# KiCad board MozzaCircuit.kicad_pcb (continued)
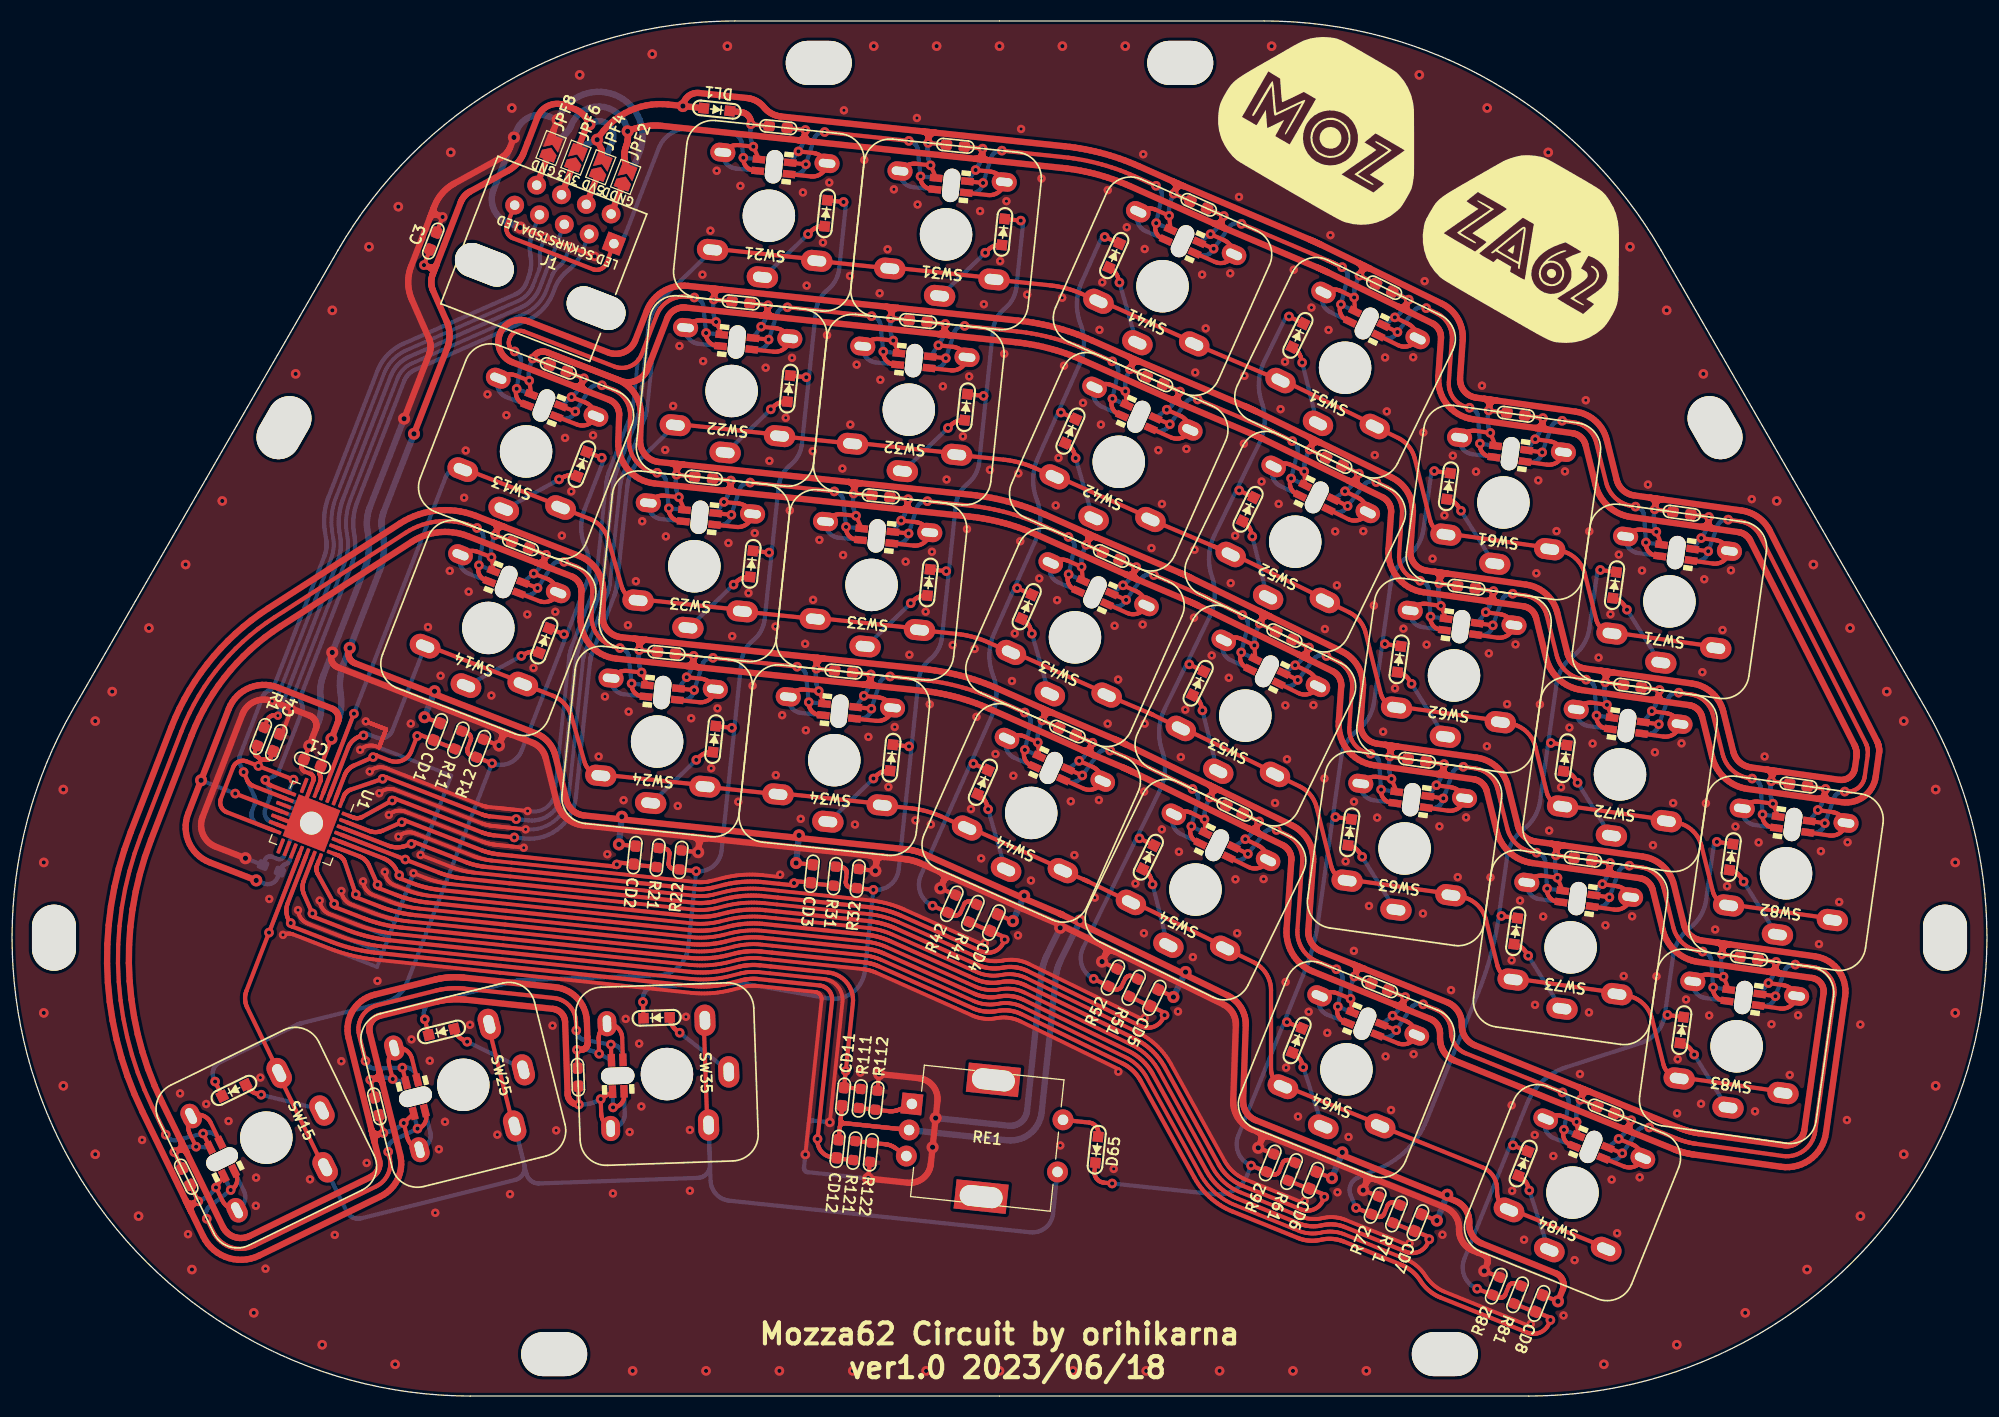
[diagram p0: board, top side]
## Routing (per net, layer and track width the routed paths; a pad name or vN(x,y) marks a point on that pad's centre or on a via; arc(x,y) is an arc through that point) (continued)
Net-(D21-Pad2): length 9.7
  Top w0.4: v2(75.95,110.85) 76.26,111.14 76.32,111.21 76.4,111.27 76.47,111.32 76.55,111.37 76.63,111.41 76.72,111.45 76.8,111.49 76.89,111.52 76.98,111.55 77.07,111.57 77.16,111.58 77.26,111.59 77.35,111.59 77.44,111.59 77.53,111.58
  Bottom w0.4: 77.53,111.58 77.44,111.59 77.35,111.59 77.26,111.59 77.16,111.58 77.07,111.57 76.98,111.55 76.89,111.52 76.8,111.49 76.72,111.45 76.63,111.41 76.55,111.37 76.47,111.32 76.4,111.27 76.32,111.21 76.26,111.14 v2(75.95,110.85) 71.76,106.8 71.74,106.78 71.72,106.77 71.7,106.76 71.68,106.75 71.66,106.74 71.64,106.74 71.61,106.73 71.59,106.73
Net-(D22-Pad2): length 9.7
  Top w0.4: v2(72.39,94.13) 72.7,94.42 72.77,94.49 72.84,94.55 72.92,94.6 73,94.65 73.08,94.69 73.16,94.73 73.25,94.77 73.34,94.8 73.43,94.83 73.52,94.85 73.61,94.86 73.7,94.87 73.79,94.87 73.89,94.87 D22.2
  Bottom w0.4: D22.2 73.89,94.87 73.79,94.87 73.7,94.87 73.61,94.86 73.52,94.85 73.43,94.83 73.34,94.8 73.25,94.77 73.16,94.73 73.08,94.69 73,94.65 72.92,94.6 72.84,94.55 72.77,94.49 72.7,94.42 v2(72.39,94.13) 68.2,90.08 68.18,90.06 68.17,90.05 68.14,90.04 68.12,90.03 68.11,90.02 68.09,90.02 68.05,90.01 SW22.1
Net-(D23-Pad2): length 9.7
  Top w0.4: 70.43,78.14 70.33,78.15 70.24,78.15 70.15,78.15 70.05,78.14 69.96,78.13 69.87,78.11 69.78,78.08 69.69,78.05 69.61,78.01 69.52,77.97 69.44,77.93 69.36,77.88 69.29,77.83 69.22,77.77 69.15,77.7 v2(68.84,77.41)
  Bottom w0.4: 70.43,78.14 70.33,78.15 70.24,78.15 70.15,78.15 70.05,78.14 69.96,78.13 69.87,78.11 69.78,78.08 69.69,78.05 69.61,78.01 69.52,77.97 69.44,77.93 69.36,77.88 69.29,77.83 69.22,77.77 69.15,77.7 v2(68.84,77.41) 64.65,73.36 64.63,73.34 64.61,73.33 64.59,73.32 64.57,73.31 64.56,73.3 64.53,73.3 64.5,73.29 64.49,73.29
Net-(D24-Pad2): length 9.7
  Top w0.4: D24.2 66.78,61.43 66.69,61.43 66.59,61.43 66.5,61.42 66.41,61.41 66.32,61.39 66.23,61.36 66.14,61.33 66.05,61.29 65.97,61.25 65.89,61.21 65.81,61.16 65.73,61.11 65.66,61.05 65.59,60.98 v2(65.29,60.69)
  Bottom w0.4: SW24.1 60.94,56.57 60.98,56.58 61,56.58 61.04,56.6 61.06,56.61 61.08,56.62 61.1,56.64 v2(65.29,60.69) 65.59,60.98 65.66,61.05 65.73,61.11 65.81,61.16 65.89,61.21 65.97,61.25 66.05,61.29 66.14,61.33 66.23,61.36 66.32,61.39 66.41,61.41 66.5,61.42 66.59,61.43 66.69,61.43 66.78,61.43 D24.2
Net-(D25-Pad2): length 9.7
  Top w0.4: D25.2 42.21,34.95 42.24,34.86 42.28,34.78 42.32,34.69 42.36,34.61 42.41,34.53 42.47,34.46 42.52,34.38 42.59,34.32 42.65,34.25 42.72,34.19 42.8,34.13 42.87,34.08 42.95,34.03 43.04,33.99 v2(43.42,33.8)
  Bottom w0.4: D25.2 42.21,34.95 42.24,34.86 42.28,34.78 42.32,34.69 42.36,34.61 42.41,34.53 42.47,34.46 42.52,34.38 42.59,34.32 42.65,34.25 42.72,34.19 42.8,34.13 42.87,34.08 42.95,34.03 43.04,33.99 v2(43.42,33.8) 48.66,31.25 48.68,31.24 48.7,31.22 48.72,31.21 48.74,31.18 48.76,31.15 48.78,31.13 48.78,31.12
Net-(D31-Pad1): length 127.2
  Top w0.4: R31.1 79.19,50.44 79.24,50.43 79.29,50.42 79.34,50.4 79.39,50.38 79.43,50.35 79.47,50.31 79.51,50.28 79.54,50.24 79.57,50.19 79.6,50.15 79.61,50.1 79.63,50.05 79.64,49.99 79.64,49.94 79.64,49.89 79.55,49.07 79.55,49.02 79.55,48.96 79.56,48.91 79.57,48.86 79.59,48.81 79.61,48.77 79.64,48.72 79.68,48.68 79.71,48.65 79.75,48.61 79.8,48.58 79.84,48.56 79.89,48.54 79.94,48.53 80,48.52 R32.1 v2(82.18,48.29) ; 87.59,78.85 89.38,78.67 ; D35.1 60.19,37.84 ; 94.7,112.29 96.49,112.11 ; 84.04,62.13 85.83,61.95 ; 91.15,95.57 92.94,95.39
  Bottom w0.4: 89.38,78.67 90.05,84.97 90.07,85.13 90.1,85.29 90.13,85.44 90.18,85.6 90.23,85.75 90.29,85.9 90.36,86.04 90.44,86.18 90.52,86.32 90.61,86.45 90.71,86.57 90.81,86.7 90.92,86.81 91.04,86.92 91.28,87.13 91.4,87.24 91.51,87.35 91.61,87.48 91.71,87.6 91.8,87.73 91.88,87.87 91.96,88.01 92.03,88.16 92.09,88.3 92.14,88.45 92.19,88.61 92.23,88.76 92.25,88.92 92.28,89.08 92.94,95.39 ; 89.38,78.67 87.59,78.85 ; 89.38,78.67 88.72,72.36 88.7,72.2 88.67,72.04 88.63,71.89 88.59,71.73 88.54,71.58 88.47,71.44 88.41,71.29 88.33,71.15 88.25,71.01 88.16,70.88 88.06,70.76 87.95,70.63 87.84,70.52 87.73,70.41 87.49,70.2 87.37,70.09 87.26,69.98 87.16,69.85 87.06,69.73 86.97,69.6 86.89,69.46 86.81,69.32 86.74,69.18 86.68,69.03 86.63,68.88 86.58,68.72 86.54,68.57 86.51,68.41 86.49,68.25 85.83,61.95 ; 92.94,95.39 93.6,101.69 93.62,101.85 93.65,102.01 93.69,102.16 93.73,102.32 93.79,102.47 93.85,102.62 93.92,102.76 93.99,102.9 94.08,103.04 94.17,103.17 94.26,103.29 94.37,103.42 94.48,103.53 94.59,103.64 94.84,103.85 94.95,103.96 95.06,104.07 95.17,104.2 95.26,104.32 95.35,104.45 95.44,104.59 95.51,104.73 95.58,104.88 95.64,105.02 95.7,105.17 95.74,105.33 95.78,105.48 95.81,105.64 95.83,105.8 96.49,112.11 94.7,112.29 ; 92.94,95.39 91.15,95.57 ; 85.83,61.95 84.6,50.25 84.56,50.02 84.51,49.8 84.42,49.58 84.32,49.38 84.19,49.18 84.05,49.01 83.89,48.84 83.71,48.7 83.51,48.57 83.31,48.47 83.09,48.39 82.87,48.33 82.64,48.29 82.41,48.28 v2(82.18,48.29) ; 85.83,61.95 84.04,62.13 ; v2(82.18,48.29) 81.37,40.58 81.32,40.26 81.23,39.94 81.11,39.64 80.96,39.35 80.78,39.07 80.56,38.83 80.32,38.6 80.06,38.4 79.78,38.24 79.48,38.1 79.17,38 78.85,37.93 78.52,37.9 78.19,37.9 77.87,37.94 70.05,39.32 70.01,39.33 69.93,39.34 69.84,39.35 69.8,39.35 69.68,39.36 69.55,39.36 69.51,39.36 69.42,39.36 61.34,39.08 61.22,39.07 61.1,39.04 60.98,39.01 60.86,38.96 60.75,38.9 60.65,38.83 60.55,38.74 60.47,38.65 60.39,38.55 60.33,38.44 60.27,38.33 60.23,38.21 60.2,38.09 60.19,37.96 60.19,37.84 D35.1 ; v2(82.18,48.29) R32.1 80,48.52 79.94,48.53 79.89,48.54 79.84,48.56 79.8,48.58 79.75,48.61 79.71,48.65 79.68,48.68 79.64,48.72 79.61,48.77 79.59,48.81 79.57,48.86 79.56,48.91 79.55,48.96 79.55,49.02 79.55,49.07 79.64,49.89 79.64,49.94 79.64,49.99 79.63,50.05 79.61,50.1 79.6,50.15 79.57,50.19 79.54,50.24 79.51,50.28 79.47,50.31 79.43,50.35 79.39,50.38 79.34,50.4 79.29,50.42 79.24,50.43 79.19,50.44 R31.1
  vias: v2(60.2,37.59) v2(85.58,61.97) v2(89.14,78.69) v2(92.69,95.41) v2(96.24,112.13)
Net-(D31-Pad2): length 9.7
  Top w0.4: 94.44,109.81 94.35,109.81 94.26,109.82 94.16,109.81 94.07,109.8 93.98,109.79 93.89,109.77 93.8,109.74 93.71,109.71 93.62,109.68 93.54,109.64 93.46,109.59 93.38,109.54 93.3,109.49 93.23,109.43 93.16,109.37 v2(92.85,109.07)
  Bottom w0.4: SW31.1 88.51,104.95 88.55,104.96 88.57,104.97 88.61,104.98 88.63,104.99 88.65,105.01 88.66,105.02 v2(92.85,109.07) 93.16,109.37 93.23,109.43 93.3,109.49 93.38,109.54 93.46,109.59 93.54,109.64 93.62,109.68 93.71,109.71 93.8,109.74 93.89,109.77 93.98,109.79 94.07,109.8 94.16,109.81 94.26,109.82 94.35,109.81 94.44,109.81
Net-(D32-Pad2): length 9.7
  Top w0.4: v2(89.3,92.35) 89.61,92.65 89.68,92.71 89.75,92.77 89.82,92.82 89.9,92.87 89.98,92.92 90.07,92.96 90.16,92.99 90.24,93.02 90.33,93.05 90.42,93.07 90.51,93.08 90.61,93.09 90.7,93.1 90.79,93.09 90.89,93.09
  Bottom w0.4: SW32.1 84.96,88.23 84.99,88.24 85.02,88.25 85.05,88.26 85.07,88.27 85.09,88.29 85.11,88.3 v2(89.3,92.35) 89.61,92.65 89.68,92.71 89.75,92.77 89.82,92.82 89.9,92.87 89.98,92.92 90.07,92.96 90.16,92.99 90.24,93.02 90.33,93.05 90.42,93.07 90.51,93.08 90.61,93.09 90.7,93.1 90.79,93.09 90.89,93.09
Net-(D33-Pad2): length 9.7
  Top w0.4: v2(85.75,75.63) 86.05,75.93 86.12,75.99 86.2,76.05 86.27,76.1 86.35,76.15 86.43,76.2 86.52,76.24 86.6,76.27 86.69,76.3 86.78,76.33 86.87,76.35 86.96,76.36 87.05,76.37 87.15,76.38 87.24,76.37 87.33,76.37
  Bottom w0.4: SW33.1 81.4,71.51 81.44,71.52 81.46,71.53 81.5,71.54 81.52,71.55 81.54,71.57 81.56,71.58 v2(85.75,75.63) 86.05,75.93 86.12,75.99 86.2,76.05 86.27,76.1 86.35,76.15 86.43,76.2 86.52,76.24 86.6,76.27 86.69,76.3 86.78,76.33 86.87,76.35 86.96,76.36 87.05,76.37 87.15,76.38 87.24,76.37 87.33,76.37
Net-(D34-Pad2): length 9.7
  Top w0.4: 83.78,59.65 83.69,59.65 83.59,59.66 83.5,59.65 83.41,59.64 83.32,59.63 83.22,59.61 83.14,59.58 83.05,59.55 82.96,59.52 82.88,59.48 82.8,59.43 82.72,59.38 82.64,59.33 82.57,59.27 82.5,59.21 v2(82.19,58.91)
  Bottom w0.4: 83.78,59.65 83.69,59.65 83.59,59.66 83.5,59.65 83.41,59.64 83.32,59.63 83.22,59.61 83.14,59.58 83.05,59.55 82.96,59.52 82.88,59.48 82.8,59.43 82.72,59.38 82.64,59.33 82.57,59.27 82.5,59.21 v2(82.19,58.91) 78,54.86 77.98,54.85 77.96,54.83 77.94,54.82 77.92,54.81 77.91,54.81 77.89,54.8 77.85,54.79 SW34.1
Net-(D35-Pad2): length 9.7
  Top w0.4: 62.75,36.13 62.75,36.03 62.77,35.94 62.78,35.85 62.8,35.76 62.83,35.67 62.86,35.58 62.9,35.5 62.94,35.42 62.99,35.34 63.04,35.26 63.1,35.18 63.16,35.11 63.22,35.05 63.29,34.98 63.36,34.92 v2(63.7,34.66)
  Bottom w0.4: 62.75,36.13 62.75,36.03 62.77,35.94 62.78,35.85 62.8,35.76 62.83,35.67 62.86,35.58 62.9,35.5 62.94,35.42 62.99,35.34 63.04,35.26 63.1,35.18 63.16,35.11 63.22,35.05 63.29,34.98 63.36,34.92 v2(63.7,34.66) 68.29,31.07 68.3,31.07 68.32,31.05 68.33,31.03 68.35,31.01 68.37,30.98 68.37,30.97 68.38,30.94 68.38,30.93 SW35.1
Net-(D41-Pad1): length 93.4
  Top w0.4: D41.1 104.03,110.67 ; v2(87.83,46.78) 89.29,46.13 89.84,45.88 89.89,45.86 89.94,45.85 89.99,45.84 90.04,45.84 90.1,45.84 90.15,45.85 90.2,45.86 90.25,45.88 90.29,45.91 90.34,45.93 90.38,45.97 90.41,46 90.45,46.04 90.48,46.09 90.5,46.14 90.67,46.51 90.84,46.89 90.86,46.94 90.89,46.98 90.92,47.02 90.96,47.06 91,47.09 91.04,47.12 91.09,47.14 91.14,47.16 91.19,47.17 91.24,47.18 91.29,47.19 91.34,47.18 91.4,47.17 91.45,47.16 91.5,47.14 R41.1 ; D44.1 91.5,60.43 ; 97.32,76.44 95.67,77.18 ; D42.1 99.85,93.93
  Bottom w0.4: 95.67,77.18 97.66,81.63 97.76,81.88 97.85,82.14 97.93,82.39 97.99,82.65 98.04,82.92 98.07,83.18 98.1,83.45 98.1,83.72 98.1,83.98 98.07,84.25 98.04,84.52 97.99,84.78 97.93,85.04 97.85,85.3 97.67,85.8 97.6,86.06 97.53,86.32 97.49,86.58 97.45,86.85 97.43,87.12 97.42,87.38 97.43,87.65 97.45,87.92 97.49,88.19 97.53,88.45 97.6,88.71 97.67,88.97 97.76,89.22 97.87,89.47 99.85,93.93 ; 95.67,77.18 93.69,72.72 93.59,72.47 93.5,72.22 93.42,71.96 93.36,71.7 93.31,71.44 93.27,71.17 93.25,70.9 93.25,70.63 93.25,70.37 93.27,70.1 93.31,69.83 93.36,69.57 93.42,69.31 93.5,69.05 93.59,68.8 93.67,68.55 93.75,68.29 93.81,68.03 93.86,67.77 93.9,67.5 93.92,67.24 93.93,66.97 93.92,66.7 93.9,66.43 93.86,66.17 93.81,65.9 93.75,65.64 93.67,65.39 93.59,65.13 93.48,64.89 91.5,60.43 ; 95.67,77.18 97.32,76.44 ; D44.1 91.5,60.43 ; 91.5,60.43 86.71,49.68 86.63,49.47 86.57,49.24 86.54,49.02 86.52,48.79 86.54,48.56 86.57,48.33 86.63,48.11 86.71,47.89 86.82,47.69 86.94,47.49 87.09,47.31 87.25,47.15 87.43,47.01 87.62,46.88 v2(87.83,46.78) 89.29,46.13 89.84,45.88 89.89,45.86 89.94,45.85 89.99,45.84 90.04,45.84 90.1,45.84 90.15,45.85 90.2,45.86 90.25,45.88 90.29,45.91 90.34,45.93 90.38,45.97 90.41,46 90.45,46.04 90.48,46.09 90.5,46.14 90.67,46.51 90.84,46.89 90.86,46.94 90.89,46.98 90.92,47.02 90.96,47.06 91,47.09 91.04,47.12 91.09,47.14 91.14,47.16 91.19,47.17 91.24,47.18 91.29,47.19 91.34,47.18 91.4,47.17 91.45,47.16 91.5,47.14 R41.1 ; D42.1 99.85,93.93 ; 99.85,93.93 101.84,98.39 101.94,98.63 102.03,98.89 102.1,99.14 102.17,99.4 102.22,99.67 102.25,99.93 102.27,100.2 102.28,100.47 102.27,100.73 102.25,101 102.22,101.27 102.17,101.53 102.1,101.79 102.03,102.05 101.94,102.3 101.85,102.55 101.77,102.81 101.71,103.07 101.66,103.33 101.63,103.6 101.61,103.87 101.6,104.13 101.61,104.4 101.63,104.67 101.66,104.93 101.71,105.2 101.77,105.46 101.85,105.71 101.94,105.97 102.04,106.21 104.03,110.67 D41.1
  vias: v2(91.73,60.32) v2(95.9,77.07) v2(100.08,93.82) v2(104.26,110.57)
Net-(D41-Pad2): length 9.7
  Top w0.4: v2(105.66,106.23) 105.54,106.64 105.51,106.73 105.48,106.81 105.44,106.9 105.4,106.98 105.35,107.06 105.3,107.14 105.24,107.21 105.18,107.28 105.12,107.35 105.05,107.41 104.97,107.47 104.9,107.52 104.82,107.57 104.74,107.62 104.66,107.66
  Bottom w0.4: SW41.1 107.35,100.49 107.34,100.5 107.32,100.51 107.31,100.52 107.3,100.53 107.29,100.55 107.28,100.56 v2(105.66,106.23) 105.54,106.64 105.51,106.73 105.48,106.81 105.44,106.9 105.4,106.98 105.35,107.06 105.3,107.14 105.24,107.21 105.18,107.28 105.12,107.35 105.05,107.41 104.97,107.47 104.9,107.52 104.82,107.57 104.74,107.62 104.66,107.66
Net-(D42-Pad2): length 9.7
  Top w0.4: v2(101.48,89.48) 101.36,89.89 101.34,89.98 101.3,90.07 101.26,90.15 101.22,90.23 101.17,90.31 101.12,90.39 101.06,90.46 101,90.53 100.94,90.6 100.87,90.66 100.8,90.72 100.72,90.77 100.64,90.82 100.56,90.87 100.48,90.91
  Bottom w0.4: 100.48,90.91 100.56,90.87 100.64,90.82 100.72,90.77 100.8,90.72 100.87,90.66 100.94,90.6 101,90.53 101.06,90.46 101.12,90.39 101.17,90.31 101.22,90.23 101.26,90.15 101.3,90.07 101.34,89.98 101.36,89.89 v2(101.48,89.48) 103.11,83.82 103.11,83.8 103.12,83.78 103.13,83.77 103.15,83.76 103.16,83.75 103.18,83.74 SW42.1
Net-(D43-Pad2): length 9.7
  Top w0.4: v2(97.31,72.73) 97.19,73.14 97.16,73.23 97.13,73.32 97.09,73.4 97.05,73.48 97,73.56 96.94,73.64 96.89,73.71 96.83,73.78 96.76,73.85 96.69,73.91 96.62,73.97 96.55,74.02 96.47,74.07 96.39,74.12 D43.2
  Bottom w0.4: SW43.1 99,66.99 98.99,67 98.97,67.01 98.96,67.02 98.95,67.03 98.94,67.05 98.93,67.07 v2(97.31,72.73) 97.19,73.14 97.16,73.23 97.13,73.32 97.09,73.4 97.05,73.48 97,73.56 96.94,73.64 96.89,73.71 96.83,73.78 96.76,73.85 96.69,73.91 96.62,73.97 96.55,74.02 96.47,74.07 96.39,74.12 D43.2
Net-(D44-Pad2): length 9.7
  Top w0.4: v2(93.13,55.98) 93.01,56.39 92.98,56.48 92.95,56.57 92.91,56.65 92.87,56.73 92.82,56.81 92.77,56.89 92.71,56.96 92.65,57.03 92.59,57.1 92.52,57.16 92.45,57.22 92.37,57.28 92.29,57.33 92.21,57.37 D44.2
  Bottom w0.4: SW44.1 94.83,50.24 94.81,50.25 94.8,50.26 94.78,50.27 94.77,50.29 94.76,50.3 94.75,50.32 v2(93.13,55.98) 93.01,56.39 92.98,56.48 92.95,56.57 92.91,56.65 92.87,56.73 92.82,56.81 92.77,56.89 92.71,56.96 92.65,57.03 92.59,57.1 92.52,57.16 92.45,57.22 92.37,57.28 92.29,57.33 92.21,57.37 D44.2
Net-(D51-Pad1): length 93.4
  Top w0.4: R51.1 106.88,40.04 106.83,40.06 106.78,40.07 106.73,40.08 106.67,40.09 106.62,40.09 106.57,40.08 106.52,40.07 106.47,40.05 106.42,40.03 106.38,40 106.34,39.97 106.3,39.94 106.26,39.9 106.23,39.85 106.21,39.81 106.03,39.44 105.85,39.07 105.82,39.02 105.79,38.98 105.76,38.94 105.72,38.9 105.68,38.87 105.63,38.85 105.58,38.82 105.53,38.81 105.48,38.79 105.43,38.79 105.38,38.79 105.33,38.79 105.28,38.8 105.23,38.82 105.18,38.84 R52.1 v2(103.2,39.8) ; 113.72,69.12 112.1,69.91 ; 123.24,102.31 121.62,103.1 ; D52.1 116.86,86.5 ; 108.96,52.53 107.34,53.32
  Bottom w0.4: 108.96,52.53 107.34,53.32 ; 107.34,53.32 109.48,57.7 109.59,57.95 109.69,58.2 109.78,58.45 109.85,58.71 109.91,58.97 109.95,59.23 109.98,59.5 110,59.77 110,60.04 109.99,60.3 109.96,60.57 109.92,60.84 109.87,61.1 109.8,61.36 109.64,61.87 109.57,62.13 109.52,62.39 109.48,62.65 109.46,62.92 109.44,63.19 109.45,63.46 109.46,63.72 109.49,63.99 109.54,64.26 109.6,64.52 109.67,64.77 109.75,65.03 109.85,65.28 109.96,65.52 112.1,69.91 ; 107.34,53.32 102.19,42.74 102.1,42.53 102.03,42.31 101.99,42.09 101.97,41.86 101.97,41.63 102,41.4 102.05,41.17 102.12,40.95 102.22,40.75 102.34,40.55 102.48,40.36 102.64,40.2 102.81,40.05 103,39.91 v2(103.2,39.8) R52.1 105.18,38.84 105.23,38.82 105.28,38.8 105.33,38.79 105.38,38.79 105.43,38.79 105.48,38.79 105.53,38.81 105.58,38.82 105.63,38.85 105.68,38.87 105.72,38.9 105.76,38.94 105.79,38.98 105.82,39.02 105.85,39.07 106.03,39.44 106.21,39.81 106.23,39.85 106.26,39.9 106.3,39.94 106.34,39.97 106.38,40 106.42,40.03 106.47,40.05 106.52,40.07 106.57,40.08 106.62,40.09 106.67,40.09 106.73,40.08 106.78,40.07 106.83,40.06 106.88,40.04 R51.1 ; 116.86,86.5 119,90.89 119.11,91.13 119.21,91.38 119.29,91.64 119.37,91.9 119.42,92.16 119.47,92.42 119.5,92.69 119.51,92.95 119.52,93.22 119.5,93.49 119.48,93.76 119.44,94.02 119.39,94.28 119.32,94.54 119.16,95.06 119.09,95.31 119.04,95.58 119,95.84 118.97,96.11 118.96,96.38 118.96,96.64 118.98,96.91 119.01,97.18 119.05,97.44 119.11,97.7 119.18,97.96 119.27,98.22 119.37,98.47 119.48,98.71 121.62,103.1 123.24,102.31 ; 116.86,86.5 114.72,82.12 114.61,81.87 114.51,81.62 114.43,81.37 114.35,81.11 114.3,80.85 114.25,80.58 114.22,80.32 114.2,80.05 114.2,79.78 114.21,79.51 114.24,79.25 114.28,78.98 114.33,78.72 114.4,78.46 114.48,78.21 114.56,77.95 114.63,77.69 114.68,77.43 114.72,77.16 114.75,76.9 114.76,76.63 114.76,76.36 114.74,76.09 114.71,75.83 114.67,75.56 114.61,75.3 114.54,75.04 114.45,74.79 114.35,74.54 114.24,74.3 112.1,69.91 ; 116.86,86.5 D52.1 ; 112.1,69.91 113.72,69.12
  vias: v2(107.57,53.21) v2(112.33,69.8) v2(117.08,86.39) v2(121.84,102.99)
Net-(D51-Pad2): length 9.7
  Top w0.4: D51.2 122.22,100.02 122.3,99.97 122.38,99.92 122.45,99.86 122.52,99.8 122.59,99.73 122.65,99.67 122.71,99.59 122.76,99.52 122.81,99.44 122.86,99.36 122.9,99.27 122.93,99.19 122.96,99.1 122.99,99.01 v2(123.09,98.59)
  Bottom w0.4: SW51.1 124.59,92.8 124.57,92.81 124.56,92.82 124.54,92.83 124.53,92.85 124.53,92.86 124.52,92.88 v2(123.09,98.59) 122.99,99.01 122.96,99.1 122.93,99.19 122.9,99.27 122.86,99.36 122.81,99.44 122.76,99.52 122.71,99.59 122.65,99.67 122.59,99.73 122.52,99.8 122.45,99.86 122.38,99.92 122.3,99.97 122.22,100.02 D51.2
Net-(D52-Pad2): length 9.7
  Top w0.4: v2(118.34,82) 118.23,82.42 118.21,82.51 118.18,82.59 118.14,82.68 118.1,82.76 118.06,82.84 118.01,82.92 117.95,83 117.89,83.07 117.83,83.14 117.76,83.2 117.69,83.27 117.62,83.32 117.54,83.37 117.46,83.42 117.38,83.47
  Bottom w0.4: 117.38,83.47 117.46,83.42 117.54,83.37 117.62,83.32 117.69,83.27 117.76,83.2 117.83,83.14 117.89,83.07 117.95,83 118.01,82.92 118.06,82.84 118.1,82.76 118.14,82.68 118.18,82.59 118.21,82.51 118.23,82.42 v2(118.34,82) 119.76,76.28 119.77,76.27 119.78,76.25 119.79,76.24 119.8,76.23 119.81,76.22 119.83,76.21 SW52.1
Net-(D53-Pad2): length 9.7
  Top w0.4: D53.2 112.71,66.83 112.79,66.78 112.86,66.73 112.94,66.67 113.01,66.61 113.07,66.55 113.14,66.48 113.19,66.41 113.25,66.33 113.3,66.25 113.34,66.17 113.38,66.09 113.42,66 113.45,65.91 113.47,65.82 v2(113.58,65.41)
  Bottom w0.4: SW53.1 115.07,59.61 115.06,59.62 115.04,59.63 115.03,59.65 115.02,59.66 115.01,59.68 115,59.69 v2(113.58,65.41) 113.47,65.82 113.45,65.91 113.42,66 113.38,66.09 113.34,66.17 113.3,66.25 113.25,66.33 113.19,66.41 113.14,66.48 113.07,66.55 113.01,66.61 112.94,66.67 112.86,66.73 112.79,66.78 112.71,66.83 D53.2
Net-(D54-Pad2): length 9.7
  Top w0.4: v2(108.82,48.81) 108.72,49.23 108.69,49.32 108.66,49.41 108.62,49.49 108.58,49.58 108.54,49.66 108.49,49.74 108.44,49.81 108.38,49.88 108.31,49.95 108.25,50.02 108.18,50.08 108.1,50.14 108.03,50.19 107.95,50.24 107.87,50.28
  Bottom w0.4: 107.87,50.28 107.95,50.24 108.03,50.19 108.1,50.14 108.18,50.08 108.25,50.02 108.31,49.95 108.38,49.88 108.44,49.81 108.49,49.74 108.54,49.66 108.58,49.58 108.62,49.49 108.66,49.41 108.69,49.32 108.72,49.23 v2(108.82,48.81) 110.24,43.1 110.25,43.08 110.26,43.07 110.27,43.05 110.28,43.04 110.3,43.03 110.31,43.02 110.33,43.01
Net-(D61-Pad1): length 116.5
  Top w0.4: D63.1 126.02,55.27 ; 122.43,22.26 121.87,22.48 121.82,22.5 121.77,22.51 121.72,22.52 121.67,22.52 121.61,22.51 121.56,22.5 121.51,22.49 121.46,22.47 121.42,22.44 121.38,22.41 121.34,22.38 121.3,22.34 121.27,22.3 121.24,22.25 121.22,22.21 120.91,21.44 120.89,21.39 120.86,21.35 120.83,21.31 120.79,21.27 120.76,21.23 120.71,21.2 120.67,21.18 120.62,21.16 120.57,21.14 120.52,21.13 120.46,21.13 120.41,21.13 120.36,21.14 120.31,21.15 120.26,21.16 119.7,21.39 v2(118.22,21.99) ; 103.36,22.25 103.28,21.46 103.27,21.35 103.28,21.25 103.29,21.15 103.32,21.05 103.36,20.95 103.41,20.85 103.46,20.77 103.53,20.69 103.6,20.61 103.68,20.55 103.77,20.49 103.87,20.44 103.96,20.4 104.06,20.38 104.17,20.36 v2(104.96,20.28) ; D61.1 135.45,88.28 ; 132.52,71.52 130.74,71.77 ; D64.1 121.41,35.76
  Bottom w0.4: v2(118.22,21.99) 118.01,22.09 117.81,22.2 117.63,22.34 117.46,22.5 117.31,22.67 117.18,22.86 117.07,23.06 116.98,23.28 116.91,23.5 116.87,23.72 116.85,23.95 116.85,24.18 116.88,24.41 116.93,24.64 117,24.85 121.41,35.76 ; v2(118.22,21.99) 119.7,21.39 120.26,21.16 120.31,21.15 120.36,21.14 120.41,21.13 120.46,21.13 120.52,21.13 120.57,21.14 120.62,21.16 120.67,21.18 120.71,21.2 120.76,21.23 120.79,21.27 120.83,21.31 120.86,21.35 120.89,21.39 120.91,21.44 121.22,22.21 121.24,22.25 121.27,22.3 121.3,22.34 121.34,22.38 121.38,22.41 121.42,22.44 121.46,22.47 121.51,22.49 121.56,22.5 121.61,22.51 121.67,22.52 121.72,22.52 121.77,22.51 121.82,22.5 121.87,22.48 122.43,22.26 ; v2(118.22,21.99) 117.86,21.11 117.76,20.87 117.63,20.65 117.48,20.43 117.32,20.23 117.14,20.05 116.95,19.88 116.74,19.73 116.52,19.59 116.28,19.48 116.04,19.39 115.79,19.32 115.54,19.26 115.28,19.24 115.03,19.23 114.77,19.25 v2(104.96,20.28) 104.17,20.36 104.06,20.38 103.96,20.4 103.87,20.44 103.77,20.49 103.68,20.55 103.6,20.61 103.53,20.69 103.46,20.77 103.41,20.85 103.36,20.95 103.32,21.05 103.29,21.15 103.28,21.25 103.27,21.35 103.28,21.46 103.36,22.25 ; 126.02,55.27 126.81,60.85 126.84,61.06 126.89,61.27 126.94,61.47 127.01,61.67 127.09,61.87 127.18,62.06 127.27,62.25 127.38,62.43 127.5,62.61 127.63,62.78 127.76,62.94 127.9,63.1 128.05,63.25 128.21,63.39 128.38,63.52 128.54,63.65 128.7,63.79 128.85,63.94 129,64.1 129.13,64.26 129.26,64.43 129.38,64.61 129.48,64.79 129.58,64.98 129.67,65.17 129.75,65.37 129.81,65.57 129.87,65.77 129.92,65.98 129.95,66.19 130.74,71.77 ; 126.02,55.27 124.62,45.28 124.57,44.96 124.52,44.64 124.46,44.32 124.4,44 124.33,43.68 124.25,43.37 124.17,43.05 124.09,42.73 124,42.42 123.9,42.11 123.81,41.8 123.7,41.49 123.59,41.18 123.48,40.88 123.36,40.58 121.41,35.76 ; 126.02,55.27 D63.1 ; 132.52,71.52 130.74,71.77 ; 130.74,71.77 131.52,77.35 131.56,77.56 131.6,77.77 131.66,77.97 131.73,78.18 131.8,78.37 131.89,78.57 131.99,78.75 132.1,78.94 132.21,79.11 132.34,79.28 132.47,79.45 132.62,79.6 132.77,79.75 132.93,79.89 133.09,80.02 133.26,80.16 133.42,80.3 133.57,80.45 133.71,80.6 133.85,80.77 133.97,80.94 134.09,81.11 134.2,81.3 134.3,81.48 134.38,81.68 134.46,81.87 134.53,82.07 134.59,82.28 134.63,82.49 134.67,82.7 135.45,88.28 D61.1 ; D64.1 121.41,35.76
  vias: v2(121.64,35.67) v2(126.27,55.23) v2(130.98,71.74) v2(135.7,88.24)
Net-(D61-Pad2): length 9.7
  Top w0.4: v2(138.25,84.45) 138.02,84.82 137.97,84.89 137.91,84.97 137.85,85.04 137.79,85.11 137.72,85.17 137.65,85.23 137.57,85.28 137.49,85.33 137.41,85.38 137.33,85.42 137.25,85.46 137.16,85.49 137.07,85.51 136.98,85.54 D61.2
  Bottom w0.4: D61.2 136.98,85.54 137.07,85.51 137.16,85.49 137.25,85.46 137.33,85.42 137.41,85.38 137.49,85.33 137.57,85.28 137.65,85.23 137.72,85.17 137.79,85.11 137.85,85.04 137.91,84.97 137.97,84.89 138.02,84.82 v2(138.25,84.45) 141.37,79.46 141.38,79.44 141.39,79.43 141.41,79.42 141.42,79.41 141.44,79.41 141.46,79.4 141.48,79.4
Net-(D62-Pad2): length 9.7
  Top w0.4: v2(133.53,67.95) 133.3,68.31 133.25,68.39 133.2,68.46 133.14,68.53 133.07,68.6 133,68.66 132.93,68.72 132.86,68.78 132.78,68.83 132.7,68.88 132.62,68.92 132.53,68.95 132.44,68.98 132.35,69.01 132.26,69.03 D62.2
  Bottom w0.4: 136.76,62.9 136.74,62.9 136.73,62.9 136.71,62.91 136.69,62.92 136.68,62.93 136.66,62.94 136.65,62.95 v2(133.53,67.95) 133.3,68.31 133.25,68.39 133.2,68.46 133.14,68.53 133.07,68.6 133,68.66 132.93,68.72 132.86,68.78 132.78,68.83 132.7,68.88 132.62,68.92 132.53,68.95 132.44,68.98 132.35,69.01 132.26,69.03 D62.2
Net-(D63-Pad2): length 9.7
  Top w0.4: 127.46,52.54 127.55,52.53 127.64,52.51 127.73,52.48 127.82,52.45 127.9,52.41 127.98,52.37 128.06,52.32 128.14,52.27 128.22,52.22 128.29,52.16 128.36,52.1 128.42,52.03 128.48,51.96 128.54,51.88 128.59,51.81 v2(128.82,51.44)
  Bottom w0.4: 127.46,52.54 127.55,52.53 127.64,52.51 127.73,52.48 127.82,52.45 127.9,52.41 127.98,52.37 128.06,52.32 128.14,52.27 128.22,52.22 128.29,52.16 128.36,52.1 128.42,52.03 128.48,51.96 128.54,51.88 128.59,51.81 v2(128.82,51.44) 131.94,46.45 131.95,46.43 131.96,46.42 131.98,46.41 131.99,46.4 132.01,46.4 132.03,46.39 SW63.1
Net-(D64-Pad2): length 9.7
  Top w0.4: 122.14,32.77 122.23,32.73 122.31,32.69 122.39,32.64 122.47,32.59 122.54,32.53 122.61,32.47 122.68,32.41 122.74,32.34 122.8,32.27 122.86,32.19 122.91,32.12 122.95,32.04 123,31.95 123.03,31.87 123.06,31.78 v2(123.2,31.37)
  Bottom w0.4: 122.14,32.77 122.23,32.73 122.31,32.69 122.39,32.64 122.47,32.59 122.54,32.53 122.61,32.47 122.68,32.41 122.74,32.34 122.8,32.27 122.86,32.19 122.91,32.12 122.95,32.04 123,31.95 123.03,31.87 123.06,31.78 v2(123.2,31.37) 125.02,25.77 125.02,25.75 125.03,25.74 125.05,25.72 125.06,25.71 125.08,25.7 125.09,25.7 SW64.1
Net-(D65-Pad2): length 8.6
  Top w0.4: RE1.S1 102.76,26.09 102.86,26.07 102.96,26.05 103.06,26.01 103.15,25.96 103.24,25.9 103.32,25.84 103.4,25.76 103.46,25.68 103.52,25.59 103.57,25.5 103.61,25.4 103.63,25.3 103.65,25.2 103.65,25.09 103.65,24.99 103.62,24.74
  Bottom w0.4: RE1.S1 102.76,26.09 102.86,26.07 102.96,26.05 103.06,26.01 103.15,25.96 103.24,25.9 103.32,25.84 103.4,25.76 103.46,25.68 103.52,25.59 103.57,25.5 103.61,25.4 103.63,25.3 103.65,25.2 103.65,25.09 103.65,24.99 103.62,24.74
Net-(D71-Pad1): length 89.4
  Top w0.4: v2(128.23,17.94) 129.72,17.34 130.27,17.12 130.32,17.1 130.37,17.09 130.43,17.08 130.48,17.08 130.53,17.09 130.58,17.1 130.63,17.11 130.68,17.13 130.73,17.16 130.77,17.19 130.81,17.22 130.84,17.26 130.87,17.3 130.9,17.35 130.92,17.39 131.23,18.16 131.26,18.21 131.28,18.25 131.31,18.29 131.35,18.33 131.39,18.37 131.43,18.4 131.48,18.42 131.53,18.44 131.58,18.46 131.63,18.47 131.68,18.47 131.73,18.47 131.78,18.47 131.83,18.45 131.88,18.44 R71.1 ; D71.1 151.29,78.84 ; D73.1 141.86,45.83 ; D72.1 146.58,62.34